# KiCad board panel.kicad_pcb (continued)
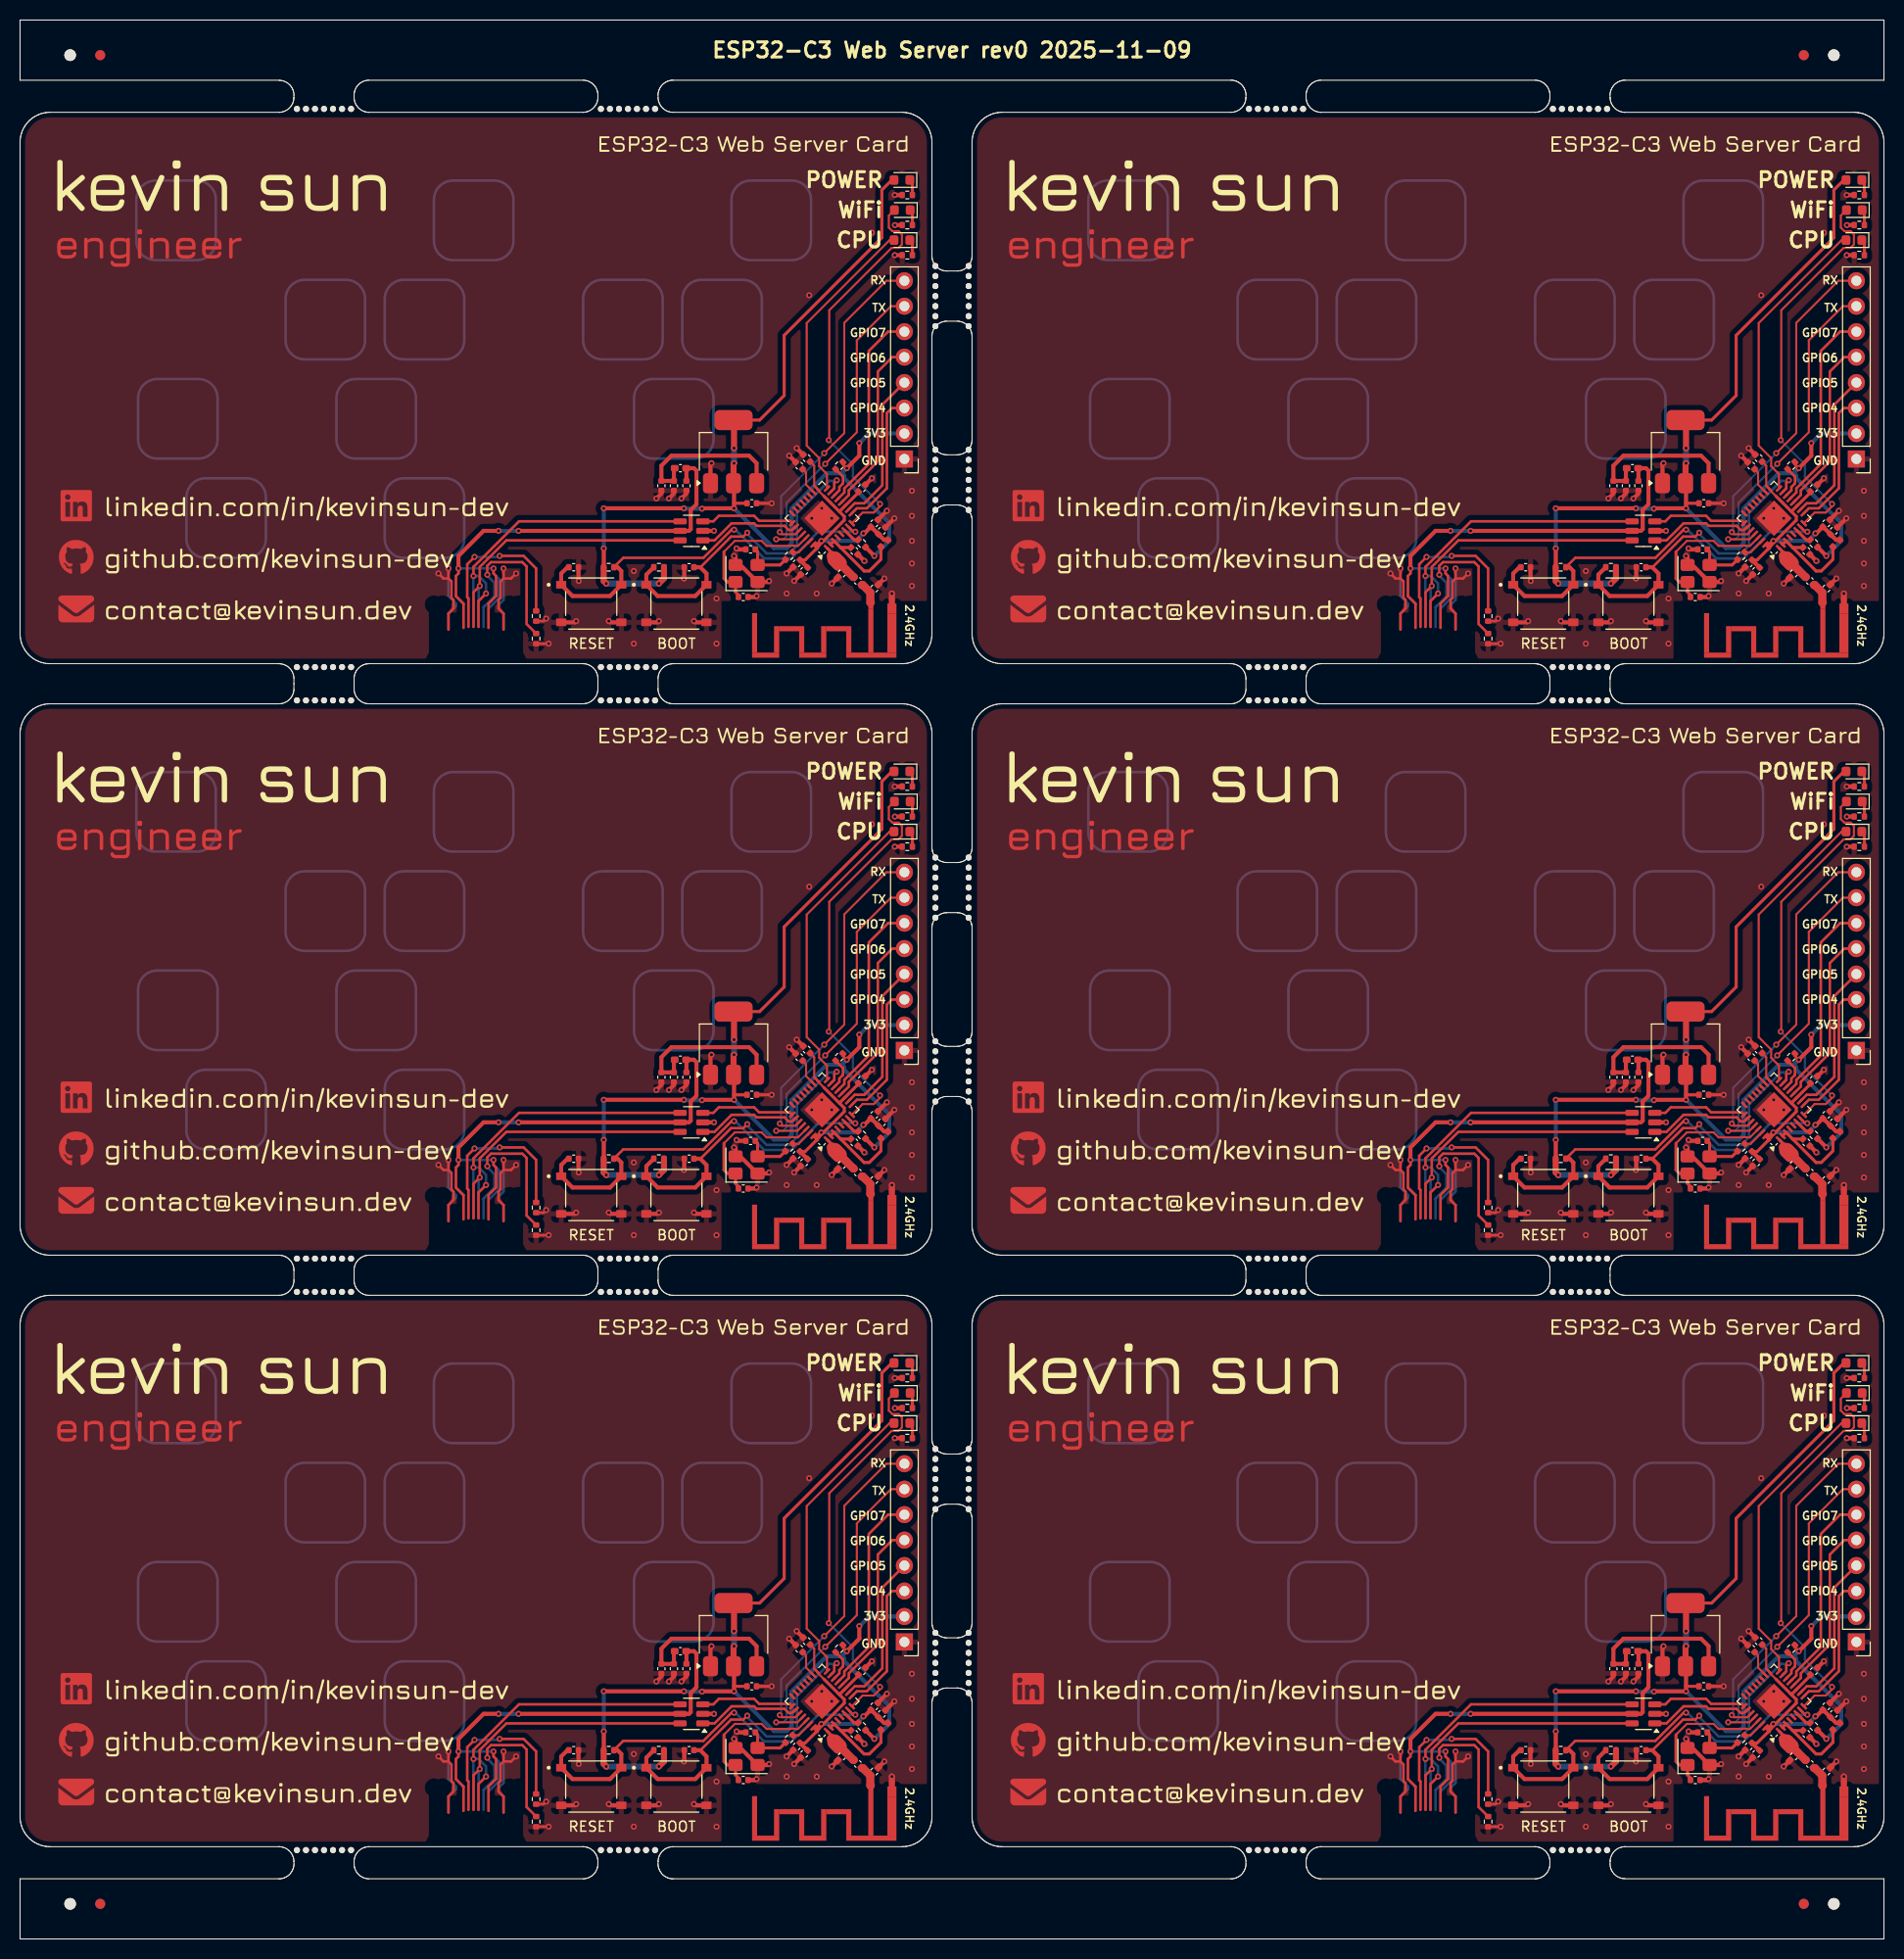
[diagram p0: board, top side]
## Routing (per net, layer and track width the routed paths; a pad name or vN(x,y) marks a point on that pad's centre or on a via; arc(x,y) is an arc through that point) (continued)
  Bottom w0.25: 46.25,71.88 46.25,73.83 46.35,73.93 46.35,73.94 47.35,74.94 47.35,76.27 46.63,76.98 v1(46.63,77.08)
Board_4-+3.3V: length 26.4
  Top w0.2: 80.22,25.92 79.54,26.6 79.54,26.68 79.25,26.96 79.25,28.95 78.84,29.36
  Top w0.3: 79.54,20.74 78.34,19.54 C7#4.1 ; 79.54,20.74 79.54,20.81 82.25,23.52 82.25,23.89 81.77,24.37 ; 79.54,20.74 79.18,21.09 ; 81.77,24.37 81.77,24.39 82.29,24.91 83.66,26.28 83.66,26.36 ; 81.77,24.37 80.22,25.92
  Top w0.4: 78.59,18.79 C7#4.1 ; 79.54,20.74 79.54,21.02 v1(79.96,21.44) ; v1(84.16,22.2) 84.25,22.2 C3.1 85.66,22.11 86.23,21.54 L1#5.1
  Bottom w0.4: v1(84.16,22.2) 84.05,22.1 84.05,22.07 83.42,21.44 v1(79.96,21.44)
Board_4-+3V3: length 109.2
  Top w0.25: v1(82.5,28.7) 82.11,29.09 R6#3.2
  Top w0.3: D1#5.2 87,57.45 86,56.45 86,51.7 76.25,41.95 76.25,35.95 73.8,33.5 U4#4.2 ; 72.54,25.2 71.25,25.2
  Top w0.4: 84.36,20.84 v1(85.25,19.95) ; v1(83.75,31.2) 83.75,29.95 v1(82.5,28.7) ; v1(66.25,24.7) v1(58.25,24.7) ; v1(68.05,24.66) 68.09,24.7 v1(71.25,24.7) 71.25,27.15 U4#4.2 ; 58.24,18.83 58.25,18.84 v1(58.25,20.7)
  Top w0.6: v1(58.5,17.2) 58.24,17.46 58.24,18.83 ; v1(71.25,29.2) 71.2,29.15 U4#4.2 ; v1(63.75,17.2) 64.26,17.71 64.26,18.83 ; v1(71.25,30.7) 71.25,33.45 U4#4.2
  Bottom w0.25: 82.12,28.33 82.12,28.08
  Bottom w0.4: v1(71.25,24.7) 75.22,20.73 76.53,20.73 77,21.2 77,24.7 80.5,28.2 81.21,28.2 81.21,28.2 81.79,28.2 81.79,28.2 82,28.2 82.25,27.95 82.25,27.7 86.75,23.2 86.75,21.45 v1(85.25,19.95) ; J2#5.2 84.73,32.16 83.77,31.2 v1(83.75,31.2) ; v1(66.25,24.7) 66.29,24.66 v1(68.05,24.66) ; v1(58.25,24.7) v1(58.25,20.7) ; v1(82.5,28.7) 82.12,28.33
  Bottom w0.6: v1(71.25,29.2) v1(71.25,30.7) ; v1(58.5,17.2) v1(63.75,17.2)
Board_4-/BOOTSEL: length 36.8
  Top w0.25: v1(81.5,27.5) 81.25,27.26 81.25,26.7 80.88,26.32 ; C18#4.1 67.9,18.83 70.95,21.88 72.18,21.88 v1(72.57,22.27)
  Top w0.4: 63.24,18.83 62.5,18.09 BOOT#2.1 63.62,15.95 67.38,15.95 BOOT#2.1 68.5,18.2 67.88,18.83 C18#4.1
  Top w0.8: 84,76.05 84.1,76.05 84.85,75.3 84.85,74.3 84.9,74.3
  Bottom w0.25: v1(81.5,27.5) 81.43,27.44 80.73,27.44 77.53,24.23 77.53,20.99 76.74,20.2 74.5,20.2 72.57,22.14 v1(72.57,22.27)
Board_4-/CHIP_EN: length 40.2
  Top w0.25: v1(71.25,22.57) 71.01,22.57 68.19,19.76 60.19,19.76 59.26,18.83 ; 82.65,22.86 83.14,22.36 v1(83.35,22.36)
  Top w0.4: 54.77,18.83 54.62,18.83 54,18.2 RESET.1 55.12,15.95 58.88,15.95 RESET.1 60,18.45 59.62,18.83 59.26,18.83
  Bottom w0.25: v1(71.25,22.57) 71.38,22.57 74.25,19.7 77,19.7 79.66,22.36 v1(83.35,22.36)
Board_4-/GP8: length 3.3
  Top w0.25: R6#3.1 82.13,27.85 82.13,27.19 81.76,26.82 81.76,26.5 81.23,25.97 81.27,25.97
Board_4-/LNA_IN: length 22.2
  Top w0.25: v1(46.63,136.08) 46.62,136.08 46.62,136.96 46.99,137.33 50.12,137.33 50.55,136.9 50.55,131.16 51.5,130.21
  Top w0.3: 81,19.95 81,20.26 80.53,20.74
  Top w0.8: L2#3.1 83.15,17.86 C12.1 81.8,19.2
  Top w1: 81.3,19.65 81,19.95
  Top w1.5: 81.3,19.65 81.75,19.2
  Bottom w0.25: 46.25,130.88 46.25,132.83 46.35,132.93 46.35,132.94 47.35,133.94 47.35,135.27 46.63,135.98 v1(46.63,136.08)
Board_4-/MTCK: length 17.8
  Top w0.25: 81.94,25.26 82.71,26.03 82.71,26.5 85.6,29.39 85.6,38.34 87.04,39.78 J2#5.5
Board_4-/MTDI: length 15.6
  Top w0.25: J2#5.4 86.05,35.04 86.05,27 84.25,25.2 83.29,25.2 82.65,24.56
Board_4-/MTDO: length 20.4
  Top w0.25: 81.59,25.62 82.26,26.29 82.26,26.68 84.7,29.13 84.7,40.4 86.62,42.32 J2#5.6
Board_4-/MTMS: length 14
  Top w0.25: J2#5.3 87,34.7 86.5,34.2 86.5,26.7 84.5,24.7 83.5,24.7 83,24.2
Board_4-/U0RXD: length 52
  Top w0.2: J2#5.8 86.45,47.4 82.25,43.2 82.25,32.2 v1(80.25,30.2) ; 77.77,22.5 77.38,22.11 76.03,22.11 v1(75.82,22.33)
  Top w0.25: v1(142.86,78.95) 145.25,78.95 146.5,77.7 146.5,73.46 ; v1(140.35,78.85) 139.62,78.12 139.62,74.83 139.75,74.7 139.75,71.88
  Bottom w0.2: v1(75.82,22.33) 75.94,22.2 75.94,25.89 v1(80.25,30.2)
  Bottom w0.25: v1(142.86,78.95) 142.76,78.85 v1(140.35,78.85)
Board_4-/U0TXD: length 34.2
  Top w0.2: v1(80.35,29.14) 83.5,32.29 83.5,41.45 86.91,44.86 J2#5.7 ; 78.12,22.15 77.58,21.61 v1(75.46,21.61)
  Top w0.3: 183.79,110.45 184.05,110.19 184.05,108.95
  Bottom w0.2: v1(75.46,21.61) 76.16,21.61 76.5,21.95 76.5,25.29 v1(80.35,29.14)
Board_4-/USB_DN: length 9.5
  Top w0.25: U3#2.3 69.19,23.4 69.74,23.95 73.25,23.95 73.75,23.45 76.82,23.45 77.06,23.21
Board_4-/USB_DP: length 10.4
  Top w0.25: 77.41,22.86 77.38,22.89 77.03,22.54 76.71,22.54 76.29,22.95 73.5,22.95 73.25,23.2 71,23.2 69.3,21.5 U3#2.1
Board_4-/XTAL_N: length 14.8
  Top w0.2: 70.25,20.37 71.33,21.45 74,21.45 74.5,20.95 76.87,20.95 76.9,20.98 77.25,20.98 77.28,20.95 77.63,20.95 78.47,21.8
  Top w0.3: 71.69,15.85 71.69,16.06 71.4,16.35 Y1.1 70.6,17.35 70.25,17.7 70.25,20.37
Board_4-/XTAL_P: length 2.2
  Top w0.2: R5#4.1 77.7,20.31 78.83,21.44
Board_4-GND: length 66.7
  Top w0.25: R2#2.2 52.24,11.19 52.25,11.2 v1(52.75,11.2) ; 65.86,139.5 48.53,139.5 45.88,136.85 v1(45.88,134.95) 45.88,134.95 45.25,134.33 45.25,130.88 ; v1(52.5,13.7) 52.24,13.44 R1#6.1
  Top w0.3: C16#4.2 v1(75,25.2)
  Top w0.4: C18#4.2 66.29,17.74 v1(66.25,17.7) ; v1(74.75,17.45) 74.65,17.35 Y1.2 73.57,17.35 71.87,19.05 Y1.4 71.4,19.8 v1(71.25,19.95) ; C7#4.2 v1(76.5,18.2) ; C5#4.2 v1(85,27.7) ; C13#4.2 66.5,26.18 v1(66,25.68) ; R9#4.2 v1(87.3,52.95) ; C4#3.2 v1(76.75,29.95) ; C1#6.2 v1(84.25,19.45) ; RESET.2 55.38,13.33 v1(55.5,13.45) ; v1(69,29.2) 68.9,29.1 U4#4.1 ; U3#2.2 v1(69.25,22.45) ; C15#6.2 64,26.18 v1(63.5,25.68) ; v1(67.25,13.45) 67.38,13.33 BOOT#2.2 ; v1(71.5,20.7) 71.6,20.6 C10#3.2 ; R10#5.2 v1(87.29,49.95) ; C12.2 v1(81,17.2) ; C2#6.2 v1(87.25,23.7) ; R8#5.2 v1(87.29,55.95) ; v1(58.75,13.45) 58.88,13.33 RESET.2 ; v1(63.75,13.45) 63.62,13.33 BOOT#2.2 ; C3.2 v1(86.5,24.45) ; C11#3.2 v1(86.25,17.7) ; C14#4.2 65.25,26.18 v1(64.75,25.68) ; C8#3.2 v1(77.25,17.45)
  Top w0.6: v1(87,16.2) 2.4GHz#4.2
  Bottom w0.25: v1(45.88,134.95) 45.88,134.95 45.75,134.83 45.75,130.88
  vias: v1(79,23.7) v1(80,24.7) v1(81,23.7)
Board_4-Net-(AE1-FEED): length 65.4
  Top w0.25: 139.25,71.78 139.25,74.2 138.5,74.95 138.5,76.95 138.75,77.2 v1(138.75,77.7) ; v1(142.25,77.7) 142.25,77.2 142.5,76.95 142.5,74.95 141.75,74.2 141.75,71.78
  Top w0.4: v1(138.75,77.7) 138.75,78.95 141.25,81.45 v1(142.75,81.45) ; 161.47,87.7 161.5,87.67 161.5,86.43 ; 161.47,87.7 162.25,87.7 162.5,87.45 162.5,84.1 161.93,83.53 161.93,81.63 161.75,81.45 160.86,81.45 v1(144.75,81.45) ; 161.47,87.7 161.47,87.74
  Top w0.8: L2#3.2 84.1,17.05 C11#3.1 84.85,15.3 84.9,15.3
  Bottom w0.25: 141.75,71.78 141.75,73.7 142.8,74.75 142.8,76.65 142.25,77.2 v1(142.25,77.7) v1(138.75,77.7) 138.75,77.2 138.5,76.95 138.5,74.9 139.25,74.15 139.25,71.78
  Bottom w0.4: v1(142.75,81.45) v1(144.75,81.45)
Board_4-Net-(C1-Pad1): length 9.2
  Top w0.3: L1#5.2 85.91,19.61 84.75,18.45 84.22,18.45 81.89,20.79 ; 81.89,20.79 C1#6.1 ; 81.89,20.79 U1#6.3 U1#6.2
Board_4-Net-(C10-Pad1): length 61.4
  Top w0.25: v1(52.5,72.7) 52.24,72.44 51.5,72.44 ; 48.25,76.7 47.95,76.4 47.95,74.77 47.75,74.56 47.75,73.7 48.25,73.2 48.25,71.6 ; 48.25,76.7 v1(48.25,77.7) ; 48.25,76.7 49,76.7 v1(49.5,77.2) ; 42.75,76.7 v1(42.75,77.7) ; 42.75,76.7 42.25,76.7 v1(41.75,77.2) ; 42.75,76.7 43.05,76.4 43.05,74.77 43.25,74.56 43.25,73.7 42.75,73.2 42.75,71.6 ; 51.5,70.19 52.24,70.19 52.25,70.2 v1(52.75,70.2)
  Top w0.3: R5#4.2 75.85,19.05 Y1.3 73.6,20.38 C10#3.1 ; 73.5,84.2 v1(75,84.2)
  Top w0.4: v1(71.25,78.95) 71.4,78.8 71.4,78.05 71.87,78.05 73.57,76.35 73.6,76.35 74.65,76.35 v1(74.75,76.45) ; v1(71.5,79.7) 71.6,79.6 72.42,79.6 ; 88.03,108.95 v1(87.29,108.95) ; 81.6,76.8 v1(81,76.2) ; 60,72.33 58.88,72.33 v1(58.75,72.45) ; 64,85.47 64,85.18 v1(63.5,84.68) ; v1(64.75,84.68) 65.25,85.18 65.25,85.47 ; 85.65,76.1 v1(86.25,76.7) ; 84.34,86.04 v1(85,86.7) ; v1(55.75,76.45) 55.73,76.47 55.73,77.83 ; 77.16,77.86 v1(76.5,77.2) ; 72.65,74.85 73.4,74.85 v1(73.5,74.95) ; 88.03,114.95 v1(87.29,114.95) ; 68.14,81.45 v1(69.25,81.45) ; 77.91,77.11 v1(77.25,76.45) ; 54,72.33 55.38,72.33 v1(55.5,72.45) ; 78.16,89.04 v1(77.5,89.7) ; 86.34,81.79 v1(87.25,82.7)
  Top w0.6: v1(87,75.2) 87,73.7
  Bottom w0.25: 48.25,71.6 48.25,73.2 47.75,73.7 47.75,74.06 48.25,74.56 v1(48.25,77.7) ; 42.75,71.6 42.75,71.6 42.75,73.2 43.5,73.95 43.5,74.2 42.75,74.95 v1(42.75,77.7)
  vias: v1(61.25,77.45) v1(61.25,70.2) v1(69.5,74.7) v1(69.5,70.2) v1(76.5,75.2) v1(78.75,104.95) v1(79.5,75.2) v1(85,111.2) v1(89,85.45) v1(89,82.95) v1(89,80.45) v1(89,78.2) v1(89,75.95)
Board_4-Net-(D1-K): length 1.6
  Top w0.3: R8#5.1 89.05,57.19 D1#5.1
Board_4-Net-(D2-K): length 1.6
  Top w0.3: D2#4.1 89.05,54.23 R9#4.1
Board_4-Net-(D3-K): length 1.6
  Top w0.3: R10#5.1 89.05,51.19 D3#3.1
Board_4-Net-(J1-CC1): length 50.4
  Top w0.25: 42.75,17.7 v1(42.75,18.7) ; 42.75,17.7 43.05,17.4 43.05,15.77 43.25,15.56 43.25,14.7 42.75,14.2 42.75,12.6 ; 42.75,17.7 42.25,17.7 v1(41.75,18.2) ; 48.25,17.7 47.95,17.4 47.95,15.77 47.75,15.56 47.75,14.7 48.25,14.2 48.25,12.6 ; 48.25,17.7 v1(48.25,18.7) ; 48.25,17.7 49,17.7 v1(49.5,18.2) ; 44.75,12.88 44.75,15.7 44.62,15.83 44.62,19.12 v1(45.35,19.85) ; v1(47.86,19.95) 50.25,19.95 51.5,18.7 R1#6.2
  Top w0.4: v1(73.5,15.95) 73.4,15.85 72.65,15.85 ; 78.16,30.04 v1(77.5,30.7) ; 55.73,18.83 55.73,17.47 v1(55.75,17.45)
  Bottom w0.25: v1(42.75,18.7) 42.75,15.95 43.5,15.2 43.5,14.95 42.75,14.2 42.75,12.6 42.75,12.6 ; 48.25,12.6 48.25,14.2 47.75,14.7 47.75,15.06 48.25,15.56 v1(48.25,18.7) ; v1(45.35,19.85) 47.76,19.85 v1(47.86,19.95)
  vias: v1(61.25,18.45) v1(61.25,11.2) v1(69.5,15.7) v1(69.5,11.2) v1(76.5,16.2) v1(78.75,45.95) v1(79.5,16.2) v1(85,52.2) v1(89,26.45) v1(89,23.95) v1(89,21.45) v1(89,19.2) v1(89,16.95)
Board_4-Net-(J1-CC2): length 19.8
  Top w0.25: R2#2.1 50.55,13.16 50.55,18.9 50.12,19.33 46.99,19.33 46.62,18.96 46.62,18.08 v1(46.63,18.08)
  Top w0.3: 89.05,114.95 89.05,116.19 88.79,116.45
  Bottom w0.25: 46.25,12.88 46.25,14.83 46.35,14.93 46.35,14.94 47.35,15.94 47.35,17.27 46.63,17.98 v1(46.63,18.08)
Board_4-Net-(J1-D+-PadA6): length 31.4
  Top w0.25: 45.25,12.88 45.25,16.33 45.88,16.95 v1(45.88,16.95) 45.88,18.85 48.53,21.5 U3#2.6
  Bottom w0.25: v1(45.88,16.95) 45.88,16.95 45.75,16.83 45.75,12.88
Board_4-Net-(J1-D--PadA7): length 34.7
  Top w0.25: U3#2.4 49.79,23.4 45.25,18.86 v1(45.25,17.95) ; 45.75,12.88 45.75,15.45 v1(46.5,16.2)
  Bottom w0.25: v1(46.5,16.2) 46.5,17.21 45.76,17.95 v1(45.25,17.95) 45.25,12.88
Board_4-Net-(U1-SPIHD): length 0.1
  Top w0.2: U1#6.19 78.73,25.97
Board_4-Net-(U4-VI): length 16.7
  Top w0.4: 73.75,27.45 U4#4.3 73.5,29.2 72.75,29.95 65,29.95 64,28.95 C15#6.1 C14#4.1 65.25,28.62 L3#5.2 ; 73.5,26.41 73.54,26.45
Board_5-+3.3V: length 26.4
  Top w0.2: 175.22,25.92 174.54,26.6 U1#4.17 174.25,26.96 174.25,28.95 C6#2.1
  Top w0.3: U1#4.32 U1#4.31 ; U1#4.32 174.54,20.81 177.25,23.52 177.25,23.89 176.77,24.37 ; U1#4.32 173.34,19.54 C7#2.1 ; 176.77,24.37 175.22,25.92 ; 176.77,24.37 176.77,24.39 U1#4.11 178.66,26.28 C5#3.1
  Top w0.4: v1(174.96,21.44) 174.54,21.02 U1#4.32 ; v1(179.16,22.2) 179.25,22.2 C3#4.1 C2#5.1 181.23,21.54 L1#3.1 ; C8#6.1 C7#2.1
  Bottom w0.4: v1(174.96,21.44) 178.42,21.44 179.05,22.07 179.05,22.1 v1(179.16,22.2)
Board_5-+3V3: length 109.2
  Top w0.25: v1(177.5,28.7) 177.11,29.09 R6#6.2
  Top w0.3: D1#4.2 182,57.45 181,56.45 181,51.7 171.25,41.95 171.25,35.95 168.8,33.5 U4#3.2 ; C16#6.1 166.25,25.2
  Top w0.4: R7.2 v1(180.25,19.95) ; v1(163.05,24.66) 163.09,24.7 v1(166.25,24.7) 166.25,27.15 U4#3.2 ; v1(153.25,20.7) 153.25,18.84 R3.1 ; v1(178.75,31.2) 178.75,29.95 v1(177.5,28.7) ; v1(161.25,24.7) v1(153.25,24.7)
  Top w0.6: R4#2.1 159.26,17.71 v1(158.75,17.2) ; U4#3.2 166.25,33.45 v1(166.25,30.7) ; R3.1 153.24,17.46 v1(153.5,17.2) ; v1(166.25,29.2) 166.2,29.15 U4#3.2
  Bottom w0.25: 177.12,28.33 177.12,28.08
  Bottom w0.4: v1(166.25,24.7) 170.22,20.73 171.53,20.73 172,21.2 172,24.7 175.5,28.2 176.21,28.2 176.21,28.2 176.79,28.2 176.79,28.2 177,28.2 177.25,27.95 177.25,27.7 181.75,23.2 181.75,21.45 v1(180.25,19.95) ; v1(177.5,28.7) 177.12,28.33 ; v1(178.75,31.2) 178.77,31.2 179.73,32.16 J2#4.2 ; v1(163.05,24.66) 161.29,24.66 v1(161.25,24.7) ; v1(153.25,24.7) v1(153.25,20.7)
  Bottom w0.6: v1(153.5,17.2) v1(158.75,17.2) ; v1(166.25,29.2) v1(166.25,30.7)
Board_5-/BOOTSEL: length 36.8
  Top w0.25: U1#4.15 176.25,26.7 176.25,27.26 v1(176.5,27.5) ; v1(167.57,22.27) 167.18,21.88 165.95,21.88 162.9,18.83 C18#5.1
  Top w0.4: R4#2.2 157.5,18.09 BOOT#3.1 158.62,15.95 162.38,15.95 BOOT#3.1 163.5,18.2 162.88,18.83 C18#5.1
  Top w0.8: 84.9,133.3 84.85,133.3 84.85,134.3 84.1,135.05 84,135.05
  Bottom w0.25: v1(176.5,27.5) 176.43,27.44 175.73,27.44 172.53,24.23 172.53,20.99 171.74,20.2 169.5,20.2 167.57,22.14 v1(167.57,22.27)
Board_5-/CHIP_EN: length 73.9
  Top w0.2: 88.25,165.4 86.45,165.4 82.25,161.2 82.25,150.2 v1(80.25,148.2) ; 77.77,140.5 77.38,140.11 76.03,140.11 v1(75.82,140.33)
  Top w0.25: v1(178.35,22.36) 178.14,22.36 U1#4.7 ; v1(166.25,22.57) 166.01,22.57 163.19,19.76 155.19,19.76 R3.2
  Top w0.4: R3.2 154.62,18.83 155,18.45 RESET#6.1 153.88,15.95 150.12,15.95 RESET#6.1 149,18.2 149.62,18.83 C17#5.1
  Bottom w0.2: v1(75.82,140.33) 75.94,140.2 75.94,143.89 v1(80.25,148.2)
  Bottom w0.25: v1(166.25,22.57) 166.38,22.57 169.25,19.7 172,19.7 174.66,22.36 v1(178.35,22.36)
Board_5-/GP2: length 1.7
  Top w0.3: R7.1 178.24,21.56 U1#4.6
Board_5-/GP8: length 3.3
  Top w0.25: 176.27,25.97 U1#4.14 176.76,26.5 176.76,26.82 177.13,27.19 177.13,27.85 R6#6.1
Board_5-/LED_A: length 39.8
  Top w0.2: v1(175.7,31.5) 175.75,31.55 175.75,44.45 181.97,50.68 182.65,50.68 183,51.02 183,52.04 182.69,52.35 182.05,52.35 181.7,52.7 181.7,53.9 D2#5.2 ; v1(180.82,25.14) 180.82,24.9 180.19,24.28 179.07,24.28 178.01,23.21 U1#4.8
  Bottom w0.2: v1(175.7,31.5) 178.1,29.1 178.1,27.85 v1(180.82,25.14)
Board_5-/LED_B: length 29.5
  Top w0.2: D3#4.2 181.78,51.45 173.5,43.18 173.5,30.95 174.75,29.7 174.75,28.89 175.53,28.11 U1#4.16
Board_5-/LNA_IN: length 35.4
  Top w0.25: 140.25,71.88 140.25,75.33 140.88,75.95 v1(140.88,75.95) 140.88,77.85 143.53,80.5 160.86,80.5
  Top w0.3: U1#4.1 176,20.26 176,19.95
  Top w0.8: 176.8,19.2 C12#6.1 178.15,17.86 L2#5.1
  Top w1: 176.3,19.65 176,19.95
  Top w1.5: 176.3,19.65 176.75,19.2
  Bottom w0.25: 140.75,71.88 140.75,75.83 140.88,75.95 v1(140.88,75.95)
Board_5-/MTCK: length 17.8
  Top w0.25: U1#4.12 177.71,26.03 177.71,26.5 180.6,29.39 180.6,38.34 182.04,39.78 J2#4.5
Board_5-/MTDI: length 15.6
  Top w0.25: U1#4.10 178.29,25.2 179.25,25.2 181.05,27 181.05,35.04 J2#4.4
Board_5-/MTDO: length 20.4
  Top w0.25: J2#4.6 181.62,42.32 179.7,40.4 179.7,29.13 177.26,26.68 177.26,26.29 U1#4.13
Board_5-/MTMS: length 14
  Top w0.25: U1#4.9 178.5,24.7 179.5,24.7 181.5,26.7 181.5,34.2 182,34.7 J2#4.3
Board_5-/U0RXD: length 33.7
  Top w0.2: J2#4.8 181.45,47.4 177.25,43.2 177.25,32.2 v1(175.25,30.2) ; U1#4.27 172.38,22.11 171.03,22.11 v1(170.82,22.33)
  Bottom w0.2: v1(175.25,30.2) 170.94,25.89 170.94,22.2 v1(170.82,22.33)
Board_5-/U0TXD: length 32.6
  Top w0.2: v1(175.35,29.14) 178.5,32.29 178.5,41.45 181.91,44.86 J2#4.7 ; v1(170.46,21.61) 172.58,21.61 U1#4.28
  Bottom w0.2: v1(175.35,29.14) 171.5,25.29 171.5,21.95 171.16,21.61 v1(170.46,21.61)
Board_5-/USB_DN: length 38.9
  Top w0.2: 87.21,51.45 86.78,51.45 78.5,43.18 78.5,30.95 79.75,29.7 79.75,28.89 80.53,28.11 80.53,26.68
  Top w0.25: U1#4.25 171.82,23.45 168.75,23.45 168.25,23.95 164.74,23.95 164.19,23.4 U3#6.3
Board_5-/USB_DP: length 10.4
  Top w0.25: U3#6.1 164.3,21.5 166,23.2 168.25,23.2 168.5,22.95 171.29,22.95 171.71,22.54 172.03,22.54 172.38,22.89 U1#4.26
Board_5-/XTAL_N: length 59.7
  Top w0.2: U1#4.29 172.63,20.95 172.28,20.95 172.25,20.98 171.9,20.98 171.87,20.95 169.5,20.95 169,21.45 166.33,21.45 165.25,20.37
  Top w0.25: v1(143.25,77.7) 143.25,76.7 ; 143.25,76.7 142.95,76.4 142.95,74.77 142.75,74.56 142.75,73.7 143.25,73.2 143.25,71.6 ; 143.25,76.7 144,76.7 v1(144.5,77.2) ; v1(136.75,77.2) 137.25,76.7 137.75,76.7 ; 137.75,76.7 v1(137.75,77.7) ; 137.75,76.7 138.05,76.4 138.05,74.77 138.25,74.56 138.25,73.7 137.75,73.2 137.75,71.6 ; 146.5,72.44 147.24,72.44 v1(147.5,72.7)
  Top w0.3: 165.25,20.37 165.25,17.7 165.6,17.35 Y1#4.1 166.4,16.35 166.69,16.06 C9#3.1
  Top w0.4: v1(164,88.2) 163.9,88.1 163.9,86.2 ; 163.5,72.33 162.38,72.33 v1(162.25,72.45) ; 161.5,85.47 161.5,85.18 v1(161,84.68) ; 157.5,72.33 158.62,72.33 v1(158.75,72.45) ; v1(166.5,79.7) 166.6,79.6 167.42,79.6 ; 183.03,108.95 v1(182.29,108.95) ; 173.16,89.04 v1(172.5,89.7) ; 172.16,77.86 v1(171.5,77.2) ; 172.41,88.29 v1(171.75,88.95) ; 179.34,86.04 v1(180,86.7) ; 161.29,77.83 161.29,76.74 v1(161.25,76.7) ; 163.14,81.45 v1(164.25,81.45)
  Top w0.6: v1(182,75.2) 182,73.7
  Bottom w0.25: v1(143.25,77.7) 143.25,74.56 142.75,74.06 142.75,73.7 143.25,73.2 143.25,71.6 ; 137.75,71.6 137.75,71.6 137.75,73.2 138.5,73.95 138.5,74.2 137.75,74.95 v1(137.75,77.7)
  vias: v1(156.25,77.45) v1(156.25,70.2) v1(164.5,74.7) v1(164.5,70.2) v1(171.5,75.2) v1(173.75,104.95) v1(174.5,75.2) v1(180,111.2) v1(184,85.45) v1(184,82.95) v1(184,80.45) v1(184,78.2) v1(184,75.95)
Board_5-/XTAL_P: length 2.2
  Top w0.2: R5#6.1 172.7,20.31 U1#4.30
Board_5-GND: length 41.2
  Top w0.2: 78.09,146.61 78.44,146.26 78.44,145.07 79.18,144.32
  Top w0.25: v1(147.75,11.2) 147.25,11.2 147.24,11.19 R2#5.2 ; v1(147.5,13.7) 147.24,13.44 R1#2.1
  Top w0.3: C16#6.2 v1(170,25.2)
  Top w0.4: C9#3.2 168.4,15.85 v1(168.5,15.95) ; v1(161.25,17.7) 161.29,17.74 C18#5.2 ; R9#6.2 v1(182.3,52.95) ; C8#6.2 v1(172.25,17.45) ; v1(169.75,17.45) 169.65,17.35 Y1#4.2 168.57,17.35 166.87,19.05 Y1#4.4 166.4,19.8 v1(166.25,19.95) ; U4#3.1 163.9,29.1 v1(164,29.2) ; C11.2 v1(181.25,17.7) ; C13#3.2 161.5,26.18 v1(161,25.68) ; R8#3.2 v1(182.29,55.95) ; C10#6.2 166.6,20.6 v1(166.5,20.7) ; C17#5.2 150.73,17.47 v1(150.75,17.45) ; v1(153.75,13.45) 153.88,13.33 RESET#6.2 ; BOOT#3.2 158.62,13.33 v1(158.75,13.45) ; v1(159.75,25.68) 160.25,26.18 C14#5.2 ; C15#5.2 159,26.18 v1(158.5,25.68) ; C2#5.2 v1(182.25,23.7) ; C1#3.2 v1(179.25,19.45) ; v1(150.5,13.45) 150.38,13.33 RESET#6.2 ; C12#6.2 v1(176,17.2) ; U3#6.2 v1(164.25,22.45) ; C4#6.2 v1(171.75,29.95) ; C7#2.2 v1(171.5,18.2) ; R10#6.2 v1(182.29,49.95) ; v1(162.25,13.45) 162.38,13.33 BOOT#3.2 ; C5#3.2 v1(180,27.7) ; C3#4.2 v1(181.5,24.45) ; C6#2.2 v1(172.5,30.7)
  Top w0.6: 2.4GHz#6.2 v1(182,16.2)
  vias: v1(174,23.7) v1(175,24.7) v1(176,23.7)
Board_5-Net-(AE1-FEED): length 65.4
  Top w0.25: v1(43.75,136.7) 43.75,136.2 43.5,135.95 43.5,133.95 44.25,133.2 44.25,130.78 ; v1(47.25,136.7) 47.25,136.2 47.5,135.95 47.5,133.95 46.75,133.2 46.75,130.78
  Top w0.4: 66.5,145.43 66.5,146.67 66.47,146.7 ; v1(49.75,140.45) 65.86,140.45 66.75,140.45 66.93,140.63 66.93,142.53 67.5,143.1 67.5,146.45 67.25,146.7 66.47,146.7 ; 66.47,146.7 66.47,146.74 ; v1(43.75,136.7) 43.75,137.95 46.25,140.45 v1(47.75,140.45)
  Top w0.8: 179.9,15.3 179.85,15.3 C11.1 179.1,17.05 L2#5.2
  Bottom w0.25: 46.75,130.78 46.75,132.7 47.8,133.75 47.8,135.65 47.25,136.2 v1(47.25,136.7) v1(43.75,136.7) 43.75,136.2 43.5,135.95 43.5,133.9 44.25,133.15 44.25,130.78
  Bottom w0.4: v1(47.75,140.45) v1(49.75,140.45)
Board_5-Net-(C1-Pad1): length 9.2
  Top w0.3: 176.89,20.79 U1#4.3 U1#4.2 ; 176.89,20.79 179.22,18.45 179.75,18.45 180.91,19.61 L1#3.2 ; 176.89,20.79 C1#3.1
Board_5-Net-(C10-Pad1): length 4.7
  Top w0.3: R5#6.2 170.85,19.05 Y1#4.3 168.6,20.38 C10#6.1
Board_5-Net-(D1-K): length 1.6
  Top w0.3: D1#4.1 184.05,57.19 R8#3.1
Board_5-Net-(D2-K): length 1.6
  Top w0.3: D2#5.1 184.05,54.23 R9#6.1
Board_5-Net-(D3-K): length 1.6
  Top w0.3: D3#4.1 184.05,51.19 R10#6.1
Board_5-Net-(J1-CC1): length 18.3
  Top w0.25: 139.75,12.88 139.75,15.7 139.62,15.83 139.62,19.12 v1(140.35,19.85) ; R1#2.2 146.5,18.7 145.25,19.95 v1(142.86,19.95)
  Bottom w0.25: v1(142.86,19.95) 142.76,19.85 v1(140.35,19.85)
Board_5-Net-(J1-CC2): length 18.2
  Top w0.25: v1(141.63,18.08) 141.62,18.08 141.62,18.96 141.99,19.33 145.12,19.33 145.55,18.9 145.55,13.16 R2#5.1
  Bottom w0.25: 141.25,12.88 141.25,14.83 141.35,14.93 141.35,14.94 142.35,15.94 142.35,17.27 141.63,17.98 v1(141.63,18.08)
Board_5-Net-(J1-D+-PadA6): length 31.4
  Top w0.25: 140.25,12.88 140.25,16.33 140.88,16.95 v1(140.88,16.95) 140.88,18.85 143.53,21.5 U3#6.6
  Bottom w0.25: v1(140.88,16.95) 140.88,16.95 140.75,16.83 140.75,12.88
Board_5-Net-(J1-D--PadA7): length 34.7
  Top w0.25: v1(141.5,16.2) 140.75,15.45 140.75,12.88 ; U3#6.4 144.79,23.4 140.25,18.86 v1(140.25,17.95)
  Bottom w0.25: 140.25,12.88 v1(140.25,17.95) 140.76,17.95 141.5,17.21 v1(141.5,16.2)
Board_5-Net-(U1-SPICLK): length 1.7
  Top w0.3: 83.64,21.56 83.24,21.56 82.29,22.5
Board_5-Net-(U1-SPIHD): length 0.1
  Top w0.2: U1#4.19 173.73,25.97
Board_5-Net-(U1-SPIQ): length 39.8
  Top w0.2: 87.25,54.45 86.7,53.9 86.7,52.7 87.05,52.35 87.69,52.35 88,52.04 88,51.02 87.65,50.68 86.97,50.68 80.75,44.45 80.75,31.55 v1(80.7,31.5) ; v1(85.82,25.14) 85.82,24.9 85.19,24.28 84.07,24.28 83.01,23.21 83,23.21
  Bottom w0.2: v1(85.82,25.14) 83.1,27.85 83.1,29.1 v1(80.7,31.5)
Board_5-Net-(U4-VI): length 16.7
  Top w0.4: 168.5,26.41 168.54,26.45 ; L3#6.2 160.25,28.62 C14#5.1 C15#5.1 159,28.95 160,29.95 167.75,29.95 168.5,29.2 U4#3.3 168.75,27.45

## Copper pours and planes (outline as drawn; the poured copper is in the pictures)
Board_0-GND on Top, Bottom: -0.5,182.7 91.5,182.7 91.5,133.45 70,133.45 70,126.45 -0.5,126.45
Board_1-GND on Top, Bottom: 94.5,182.7 186.5,182.7 186.5,133.45 165,133.45 165,126.45 94.5,126.45
Board_2-GND on Top, Bottom: -0.5,123.7 91.5,123.7 91.5,74.45 70,74.45 70,67.45 -0.5,67.45
Board_3-GND on Top, Bottom: 94.5,123.7 186.5,123.7 186.5,74.45 165,74.45 165,67.45 94.5,67.45
Board_4-GND on Top, Bottom: -0.5,64.7 91.5,64.7 91.5,15.45 70,15.45 70,8.45 -0.5,8.45
Board_5-GND on Top, Bottom: 94.5,64.7 186.5,64.7 186.5,15.45 165,15.45 165,8.45 94.5,8.45

## Text on the board
F.Silkscreen: RX | TX | GPIO7 | GPIO6 | GPIO5 | GPIO4 | 3V3 | GND | ESP32-C3 Web Server rev0 2025-11-09 | POWER | WiFi | CPU
Margin: PREVIEW ONLY. PANEL SAVED IN /Users/kevin/Personal/PCB-Business-Card/panel/panelized.kicad_pcb
